# KiCad board FlightComputer.kicad_pcb (continued)
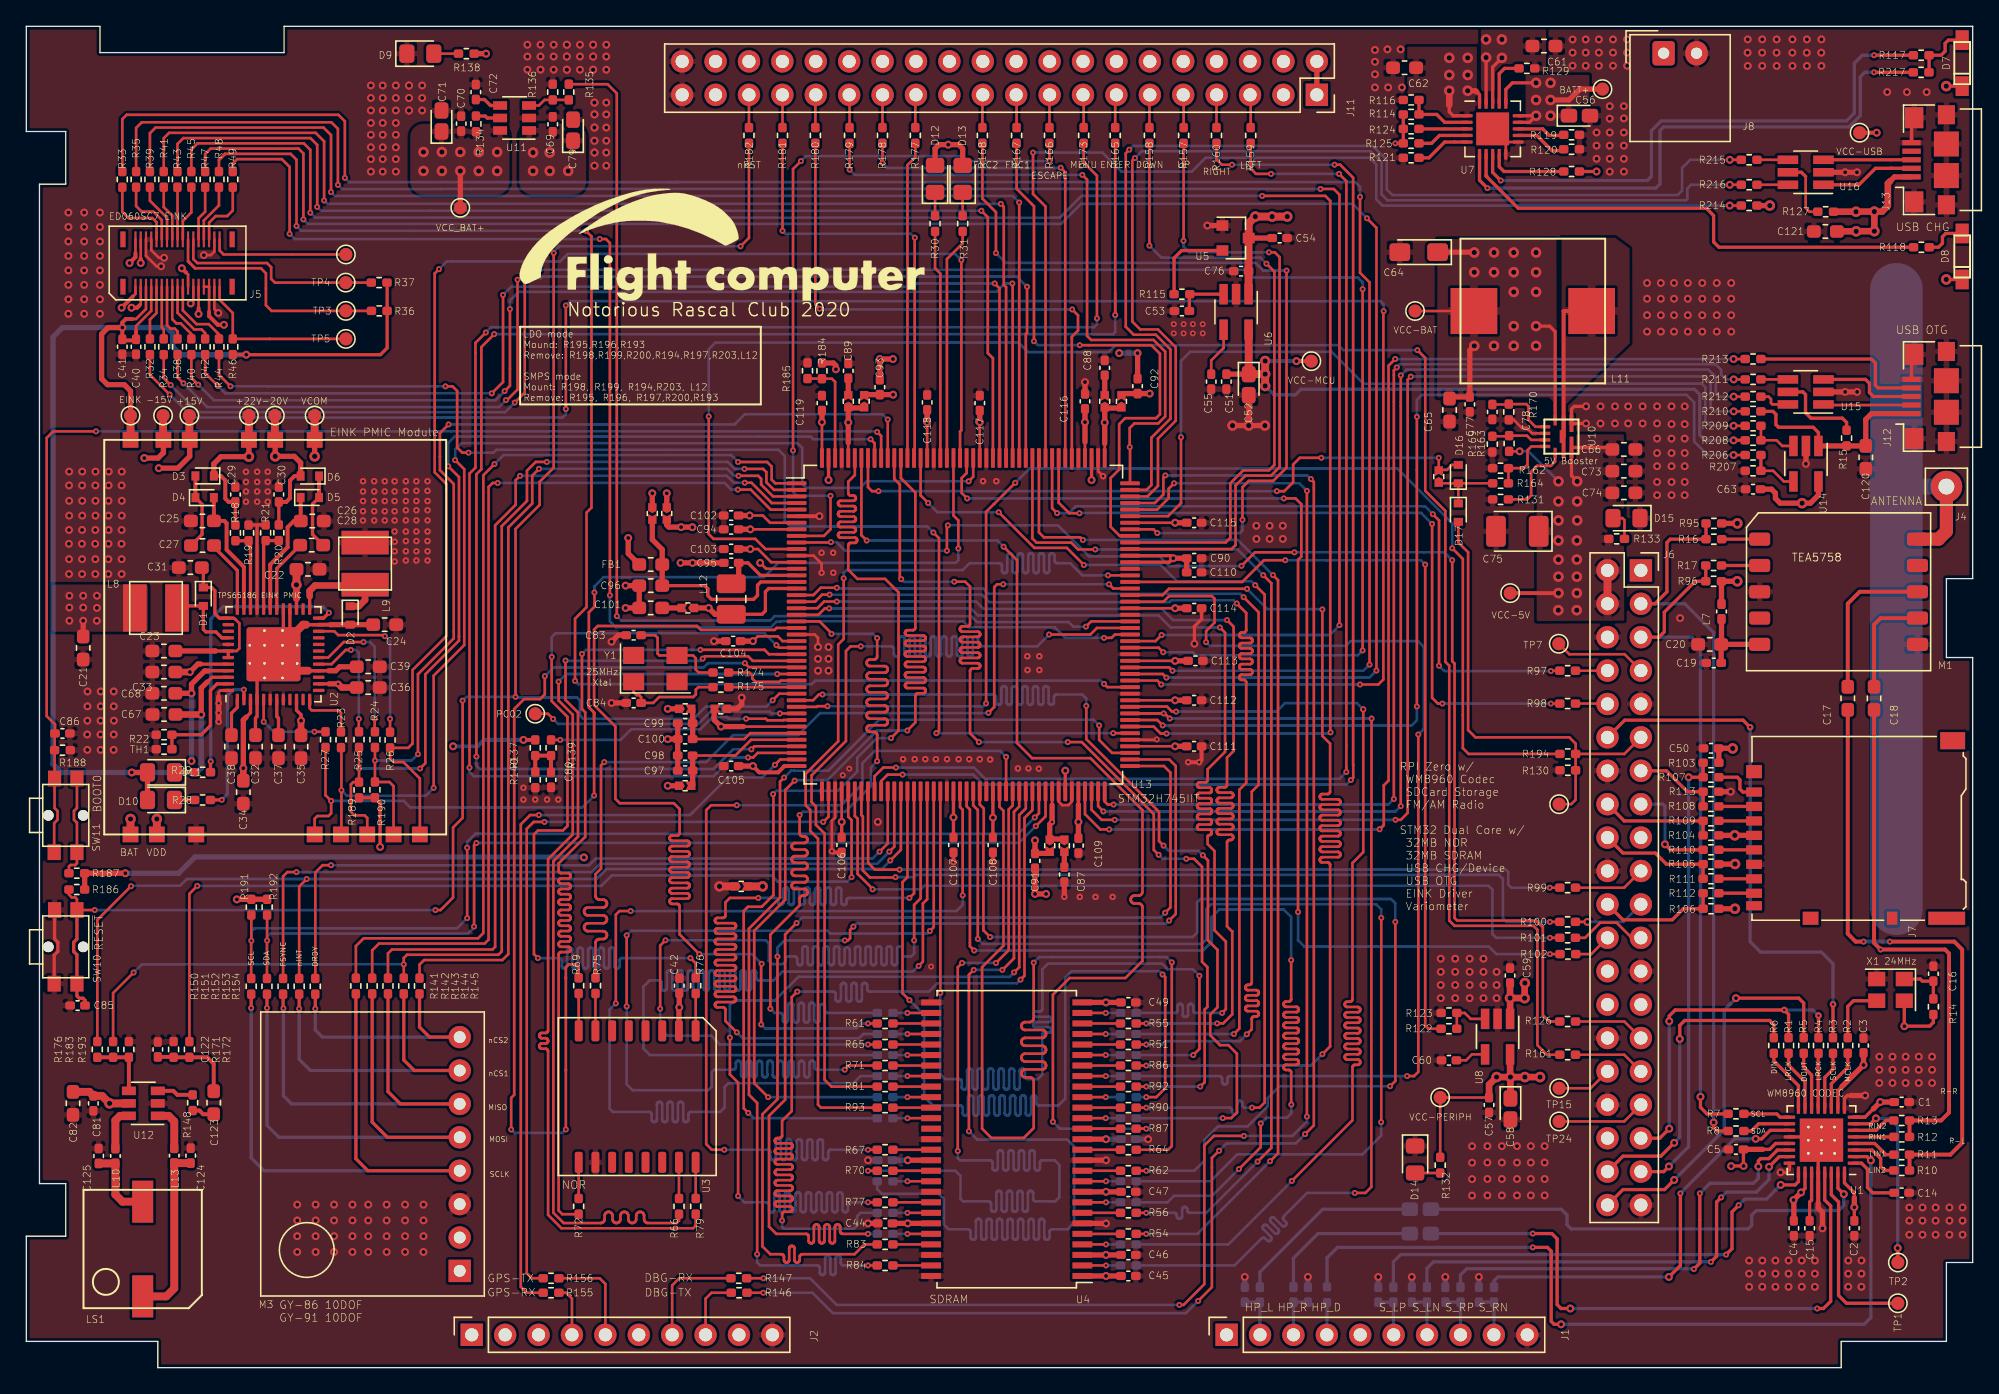
[diagram p0: board, top side]
## Routing (per net, layer and track width the routed paths; a pad name or vN(x,y) marks a point on that pad's centre or on a via; arc(x,y) is an arc through that point) (continued)
/MCU/FMC_A1: length 82.2
  Top w0.2: U13.19 59.97,58.25 60.51,58.78 v1(61.08,58.78) ; v1(92.04,58.11) 92.76,57.39 92.76,56.1 92.75,56.06 92.74,56.01 92.72,55.98 92.68,55.94 92.65,55.92 92.6,55.91 92.56,55.9 92.44,55.9 92.39,55.89 92.35,55.88 92.31,55.86 92.28,55.82 92.26,55.79 92.24,55.74 92.24,55.7 92.24,55.66 92.26,55.61 92.28,55.58 92.31,55.54 92.35,55.52 92.39,55.51 92.44,55.5 93.03,55.5 93.08,55.49 93.12,55.48 93.16,55.46 93.19,55.42 93.21,55.39 93.23,55.34 93.23,55.3 93.23,55.26 93.21,55.21 93.19,55.18 93.16,55.14 93.12,55.12 93.08,55.11 93.03,55.1 92.44,55.1 92.39,55.09 92.35,55.08 92.31,55.06 92.28,55.02 92.26,54.99 92.24,54.94 92.24,54.9 92.24,54.86 92.26,54.81 92.28,54.78 92.31,54.74 92.35,54.72 92.39,54.71 92.44,54.7 93.03,54.7 93.08,54.69 93.12,54.68 93.16,54.66 93.19,54.62 93.21,54.59 93.23,54.54 93.23,54.5 93.23,54.46 93.21,54.41 93.19,54.38 93.16,54.34 93.12,54.32 93.08,54.31 93.03,54.3 92.44,54.3 92.39,54.29 92.35,54.28 92.31,54.26 92.28,54.22 92.26,54.19 92.24,54.14 92.24,54.1 92.24,54.06 92.26,54.01 92.28,53.98 92.31,53.94 92.35,53.92 92.39,53.91 92.44,53.9 93.03,53.9 93.08,53.89 93.12,53.88 93.16,53.86 93.19,53.82 93.21,53.79 93.23,53.74 93.23,53.7 93.23,53.66 93.21,53.61 93.19,53.58 93.16,53.54 93.12,53.52 93.08,53.51 93.03,53.5 92.44,53.5 92.39,53.49 92.35,53.48 92.31,53.46 92.28,53.42 92.26,53.39 92.24,53.34 92.24,53.3 92.24,53.26 92.26,53.21 92.28,53.18 92.31,53.14 92.35,53.12 92.39,53.11 92.44,53.1 93.03,53.1 93.08,53.09 93.12,53.08 93.16,53.06 93.19,53.02 93.21,52.99 93.23,52.94 93.23,52.9 93.23,52.86 93.21,52.81 93.19,52.78 93.16,52.74 93.12,52.72 93.08,52.71 93.03,52.7 92.44,52.7 92.39,52.69 92.35,52.68 92.31,52.66 92.28,52.62 92.26,52.59 92.24,52.54 92.24,52.5 92.24,52.46 92.26,52.41 92.28,52.38 92.31,52.34 92.35,52.32 92.39,52.31 92.44,52.3 92.56,52.3 92.6,52.29 92.65,52.28 92.68,52.26 92.72,52.22 92.74,52.19 92.75,52.14 92.76,52.1 92.76,44.47 92.24,43.95 92.24,25.79 v1(91.83,25.38)
  Bottom w0.2: v1(92.04,58.11) 91.8,58.35 87.06,58.35 86.93,58.21 73.23,58.21 72.75,58.69 72.75,58.69 72.66,58.78 v1(61.08,58.78) ; v1(91.83,25.38) R53.2
/MCU/FMC_A2: length 82.2
  Top w0.2: U13.20 60.15,57.75 60.66,58.26 v1(61.62,58.26) ; v1(91.3,56.85) 91.8,56.35 91.8,46.89 91.3,46.39 91.3,44.33 91.29,44.29 91.28,44.24 91.26,44.21 91.22,44.17 91.19,44.15 91.14,44.14 91.1,44.13 90.73,44.13 90.68,44.12 90.64,44.11 90.6,44.09 90.57,44.05 90.55,44.02 90.53,43.97 90.53,43.93 90.53,43.89 90.55,43.84 90.57,43.81 90.6,43.77 90.64,43.75 90.68,43.74 90.73,43.73 91.57,43.73 91.62,43.72 91.66,43.71 91.7,43.69 91.73,43.65 91.75,43.62 91.77,43.57 91.77,43.53 91.77,43.49 91.75,43.44 91.73,43.41 91.7,43.37 91.66,43.35 91.62,43.34 91.57,43.33 90.73,43.33 90.68,43.32 90.64,43.31 90.6,43.29 90.57,43.25 90.55,43.22 90.53,43.17 90.53,43.13 90.53,43.09 90.55,43.04 90.57,43.01 90.6,42.97 90.64,42.95 90.68,42.94 90.73,42.93 91.57,42.93 91.62,42.92 91.66,42.91 91.7,42.89 91.73,42.85 91.75,42.82 91.77,42.77 91.77,42.73 91.77,42.69 91.75,42.64 91.73,42.61 91.7,42.57 91.66,42.55 91.62,42.54 91.57,42.53 90.73,42.53 90.68,42.52 90.64,42.51 90.6,42.49 90.57,42.45 90.55,42.42 90.53,42.37 90.53,42.33 90.53,42.29 90.55,42.24 90.57,42.21 90.6,42.17 90.64,42.15 90.68,42.14 90.73,42.13 91.57,42.13 91.62,42.12 91.66,42.11 91.7,42.09 91.73,42.05 91.75,42.02 91.77,41.97 91.77,41.93 91.77,41.89 91.75,41.84 91.73,41.81 91.7,41.77 91.66,41.75 91.62,41.74 91.57,41.73 90.73,41.73 90.68,41.72 90.64,41.71 90.6,41.69 90.57,41.65 90.55,41.62 90.53,41.57 90.53,41.53 90.53,41.49 90.55,41.44 90.57,41.41 90.6,41.37 90.64,41.35 90.68,41.34 90.73,41.33 91.57,41.33 91.62,41.32 91.66,41.31 91.7,41.29 91.73,41.25 91.75,41.22 91.77,41.17 91.77,41.13 91.77,41.09 91.75,41.04 91.73,41.01 91.7,40.97 91.66,40.95 91.62,40.94 91.57,40.93 90.73,40.93 90.68,40.92 90.64,40.91 90.6,40.89 90.57,40.85 90.55,40.82 90.53,40.77 90.53,40.73 90.53,40.69 90.55,40.64 90.57,40.61 90.6,40.57 90.64,40.55 90.68,40.54 90.73,40.53 91.57,40.53 91.62,40.52 91.66,40.51 91.7,40.49 91.73,40.45 91.75,40.42 91.77,40.37 91.77,40.33 91.77,40.29 91.75,40.24 91.73,40.21 91.7,40.17 91.66,40.15 91.62,40.14 91.57,40.13 91.5,40.13 91.46,40.12 91.41,40.11 91.38,40.09 91.34,40.05 91.32,40.02 91.31,39.97 91.3,39.93 91.3,33.56 91.68,33.18 91.7,33.18 91.7,26.88 91,26.18 v1(90.55,26.18) ; R55.2 v1(85.16,26.17)
  Bottom w0.2: v1(85.16,26.17) 90.55,26.17 v1(90.55,26.18) ; v1(61.62,58.26) 72.22,58.26 72.78,57.7 86.35,57.7 87.2,56.85 v1(91.3,56.85)
/MCU/FMC_A3: length 82.3
  Top w0.2: v1(61.05,57.73) 60.71,57.73 60.23,57.25 U13.21 ; v1(90.92,26.97) 91.21,27.26 91.21,32.4 90.35,33.26 90.35,39.29 89.83,39.81 89.83,40.35 89.83,40.39 89.84,40.42 89.86,40.45 89.88,40.47 89.91,40.49 89.94,40.5 90.01,40.51 90.04,40.52 90.07,40.54 90.09,40.56 90.11,40.59 90.12,40.62 90.12,40.66 90.12,40.76 90.12,40.79 90.11,40.82 90.09,40.85 90.07,40.87 90.04,40.89 90.01,40.9 89.97,40.91 89.22,40.91 89.18,40.91 89.14,40.92 89.1,40.95 89.07,40.98 89.04,41.02 89.03,41.06 89.03,41.1 89.03,41.15 89.04,41.19 89.07,41.23 89.1,41.26 89.14,41.29 89.18,41.3 89.22,41.3 89.97,41.3 90.01,41.31 90.04,41.32 90.07,41.34 90.09,41.36 90.11,41.39 90.12,41.42 90.12,41.45 90.12,41.55 90.12,41.59 90.11,41.62 90.09,41.65 90.07,41.67 90.04,41.69 90.01,41.7 89.97,41.7 89.22,41.7 89.18,41.71 89.14,41.72 89.1,41.75 89.07,41.78 89.04,41.82 89.03,41.86 89.03,41.91 89.03,41.95 89.04,41.99 89.07,42.03 89.1,42.06 89.14,42.09 89.18,42.1 89.22,42.1 89.97,42.1 90.01,42.11 90.04,42.12 90.07,42.14 90.09,42.16 90.11,42.19 90.12,42.22 90.12,42.26 90.12,42.35 90.12,42.39 90.11,42.42 90.09,42.45 90.07,42.47 90.04,42.49 90.01,42.5 89.97,42.51 89.22,42.51 89.18,42.51 89.14,42.52 89.1,42.55 89.07,42.58 89.04,42.62 89.03,42.66 89.03,42.7 89.03,42.75 89.04,42.79 89.07,42.83 89.1,42.86 89.14,42.89 89.18,42.9 89.22,42.91 89.97,42.91 90.01,42.91 90.04,42.92 90.07,42.94 90.09,42.96 90.11,42.99 90.12,43.02 90.12,43.05 90.12,43.16 90.12,43.19 90.11,43.22 90.09,43.25 90.07,43.27 90.04,43.29 90.01,43.3 89.97,43.3 89.22,43.3 89.18,43.31 89.14,43.32 89.1,43.35 89.07,43.38 89.04,43.42 89.03,43.46 89.03,43.51 89.03,43.55 89.04,43.59 89.07,43.63 89.1,43.66 89.14,43.69 89.18,43.7 89.22,43.7 89.97,43.7 90.01,43.71 90.04,43.72 90.07,43.74 90.09,43.76 90.11,43.79 90.12,43.82 90.12,43.85 90.12,43.95 90.12,43.99 90.11,44.02 90.09,44.05 90.07,44.07 90.04,44.09 90.01,44.1 89.97,44.1 89.22,44.1 89.18,44.11 89.14,44.12 89.1,44.15 89.07,44.18 89.04,44.22 89.03,44.26 89.03,44.3 89.03,44.35 89.04,44.39 89.07,44.43 89.1,44.46 89.14,44.49 89.18,44.5 89.22,44.51 89.62,44.51 89.67,44.51 89.71,44.52 89.75,44.55 89.78,44.58 89.81,44.62 89.82,44.66 89.83,44.7 89.83,45.51 91.15,46.83 91.15,55.9 v1(90.76,56.29)
  Bottom w0.2: v1(90.76,56.29) 87.01,56.29 86.1,57.2 72.36,57.2 71.83,57.73 v1(61.05,57.73) ; R57.2 87.33,26.97 87.38,26.98 87.42,26.99 87.46,27.02 87.49,27.05 87.52,27.09 87.53,27.13 87.53,27.17 87.53,27.47 87.54,27.51 87.55,27.56 87.58,27.59 87.61,27.63 87.65,27.65 87.69,27.67 87.73,27.67 87.78,27.67 87.82,27.65 87.86,27.63 87.89,27.59 87.92,27.56 87.93,27.51 87.94,27.47 87.94,26.83 87.94,26.79 87.95,26.76 87.97,26.74 87.99,26.71 88.02,26.69 88.05,26.68 88.08,26.68 88.19,26.68 88.22,26.68 88.25,26.69 88.28,26.71 88.3,26.74 88.32,26.76 88.33,26.79 88.33,26.83 88.33,27.47 88.34,27.51 88.35,27.56 88.38,27.59 88.41,27.63 88.45,27.65 88.49,27.67 88.53,27.67 88.58,27.67 88.62,27.65 88.66,27.63 88.69,27.59 88.72,27.56 88.73,27.51 88.73,27.47 88.73,27.17 88.74,27.13 88.75,27.09 88.78,27.05 88.81,27.02 88.85,26.99 88.89,26.98 88.94,26.97 v1(90.92,26.97)
/MCU/FMC_A4: length 82.2
  Top w0.2: v1(58.8,42.02) 58.8,40.65 58.81,40.59 58.82,40.54 58.85,40.49 58.89,40.45 58.94,40.42 58.99,40.41 59.05,40.4 59.15,40.4 59.21,40.39 59.26,40.38 59.31,40.35 59.35,40.31 59.38,40.26 59.39,40.21 59.4,40.15 59.39,40.09 59.38,40.04 59.35,39.99 59.31,39.95 59.26,39.92 59.21,39.91 59.15,39.9 58.45,39.9 58.39,39.89 58.34,39.88 58.29,39.85 58.25,39.81 58.22,39.76 58.21,39.71 58.2,39.65 58.21,39.59 58.22,39.54 58.25,39.49 58.29,39.45 58.34,39.42 58.39,39.41 58.45,39.4 59.15,39.4 59.21,39.39 59.26,39.38 59.31,39.35 59.35,39.31 59.38,39.26 59.39,39.21 59.4,39.15 59.39,39.09 59.38,39.04 59.35,38.99 59.31,38.95 59.26,38.92 59.21,38.91 59.15,38.9 58.45,38.9 58.39,38.89 58.34,38.88 58.29,38.85 58.25,38.81 58.22,38.76 58.21,38.71 58.2,38.65 58.21,38.59 58.22,38.54 58.25,38.49 58.29,38.45 58.34,38.42 58.39,38.41 58.45,38.4 59.15,38.4 59.21,38.39 59.26,38.38 59.31,38.35 59.35,38.31 59.38,38.26 59.39,38.21 59.4,38.15 59.39,38.09 59.38,38.04 59.35,37.99 59.31,37.95 59.26,37.92 59.21,37.91 59.15,37.9 58.45,37.9 58.39,37.89 58.34,37.88 58.29,37.85 58.25,37.81 58.22,37.76 58.21,37.71 58.2,37.65 58.21,37.59 58.22,37.54 58.25,37.49 58.29,37.45 58.34,37.42 58.39,37.41 58.45,37.4 59.15,37.4 59.21,37.39 59.26,37.38 59.31,37.35 59.35,37.31 59.38,37.26 59.39,37.21 59.4,37.15 59.39,37.09 59.38,37.04 59.35,36.99 59.31,36.95 59.26,36.92 59.21,36.91 59.15,36.9 58.45,36.9 58.39,36.89 58.34,36.88 58.29,36.85 58.25,36.81 58.22,36.76 58.21,36.71 58.2,36.65 58.21,36.59 58.22,36.54 58.25,36.49 58.29,36.45 58.34,36.42 58.39,36.41 58.45,36.4 59.15,36.4 59.21,36.39 59.26,36.38 59.31,36.35 59.35,36.31 59.38,36.26 59.39,36.21 59.4,36.15 59.39,36.09 59.38,36.04 59.35,35.99 59.31,35.95 59.26,35.92 59.21,35.91 59.15,35.9 59.05,35.9 58.99,35.89 58.94,35.88 58.89,35.85 58.85,35.81 58.82,35.76 58.81,35.71 58.8,35.65 58.8,35.16 56.58,32.93 v1(56.58,27.3) ; v1(61.23,55.8) 61.23,55.84 60.32,56.75 U13.22 ; v1(64.69,46.12) 64.7,46.12 64.7,48.1 64.69,48.16 64.68,48.21 64.65,48.26 64.61,48.3 64.56,48.33 64.51,48.34 64.45,48.35 64.15,48.35 64.09,48.36 64.04,48.37 63.99,48.4 63.95,48.44 63.92,48.49 63.91,48.54 63.9,48.6 63.91,48.66 63.92,48.71 63.95,48.76 63.99,48.8 64.04,48.83 64.09,48.84 64.15,48.85 65.25,48.85 65.31,48.86 65.36,48.87 65.41,48.9 65.45,48.94 65.48,48.99 65.49,49.04 65.5,49.1 65.49,49.16 65.48,49.21 65.45,49.26 65.41,49.3 65.36,49.33 65.31,49.34 65.25,49.35 64.15,49.35 64.09,49.36 64.04,49.37 63.99,49.4 63.95,49.44 63.92,49.49 63.91,49.54 63.9,49.6 63.91,49.66 63.92,49.71 63.95,49.76 63.99,49.8 64.04,49.83 64.09,49.84 64.15,49.85 65.25,49.85 65.31,49.86 65.36,49.87 65.41,49.9 65.45,49.94 65.48,49.99 65.49,50.04 65.5,50.1 65.49,50.16 65.48,50.21 65.45,50.26 65.41,50.3 65.36,50.33 65.31,50.34 65.25,50.35 64.15,50.35 64.09,50.36 64.04,50.37 63.99,50.4 63.95,50.44 63.92,50.49 63.91,50.54 63.9,50.6 63.91,50.66 63.92,50.71 63.95,50.76 63.99,50.8 64.04,50.83 64.09,50.84 64.15,50.85 65.25,50.85 65.31,50.86 65.36,50.87 65.41,50.9 65.45,50.94 65.48,50.99 65.49,51.04 65.5,51.1 65.49,51.16 65.48,51.21 65.45,51.26 65.41,51.3 65.36,51.33 65.31,51.34 65.25,51.35 64.15,51.35 64.09,51.36 64.04,51.37 63.99,51.4 63.95,51.44 63.92,51.49 63.91,51.54 63.9,51.6 63.91,51.66 63.92,51.71 63.95,51.76 63.99,51.8 64.04,51.83 64.09,51.84 64.15,51.85 65.25,51.85 65.31,51.86 65.36,51.87 65.41,51.9 65.45,51.94 65.48,51.99 65.49,52.04 65.5,52.1 65.49,52.16 65.48,52.21 65.45,52.26 65.41,52.3 65.36,52.33 65.31,52.34 65.25,52.35 64.15,52.35 64.09,52.36 64.04,52.37 63.99,52.4 63.95,52.44 63.92,52.49 63.91,52.54 63.9,52.6 63.91,52.66 63.92,52.71 63.95,52.76 63.99,52.8 64.04,52.83 64.09,52.84 64.15,52.85 65.25,52.85 65.31,52.86 65.36,52.87 65.41,52.9 65.45,52.94 65.48,52.99 65.49,53.04 65.5,53.1 65.49,53.16 65.48,53.21 65.45,53.26 65.41,53.3 65.36,53.33 65.31,53.34 65.25,53.35 64.15,53.35 64.09,53.36 64.04,53.37 63.99,53.4 63.95,53.44 63.92,53.49 63.91,53.54 63.9,53.6 63.91,53.66 63.92,53.71 63.95,53.76 63.99,53.8 64.04,53.83 64.09,53.84 64.15,53.85 64.45,53.85 64.51,53.86 64.56,53.87 64.61,53.9 64.65,53.94 64.68,53.99 64.69,54.04 64.7,54.1 v1(64.7,55.47)
  Bottom w0.2: R59.2 60.92,26.97 60.88,26.98 60.84,26.99 60.8,27.02 60.77,27.05 60.74,27.09 60.73,27.13 60.73,27.17 60.73,27.45 60.72,27.49 60.71,27.54 60.68,27.57 60.65,27.61 60.61,27.63 60.57,27.64 60.52,27.65 60.48,27.64 60.44,27.63 60.4,27.61 60.37,27.57 60.34,27.54 60.33,27.49 60.33,27.45 60.33,26.45 60.32,26.41 60.31,26.36 60.28,26.33 60.25,26.29 60.21,26.27 60.17,26.26 60.12,26.25 60.08,26.26 60.04,26.27 60,26.29 59.97,26.33 59.94,26.36 59.93,26.41 59.92,26.45 59.92,27.55 59.92,27.59 59.91,27.64 59.88,27.67 59.85,27.71 59.81,27.73 59.77,27.74 59.73,27.75 59.68,27.74 59.64,27.73 59.6,27.71 59.57,27.67 59.54,27.64 59.53,27.59 59.52,27.55 59.52,26.45 59.52,26.41 59.51,26.36 59.48,26.33 59.45,26.29 59.41,26.27 59.37,26.26 59.33,26.25 59.28,26.26 59.24,26.27 59.2,26.29 59.17,26.33 59.14,26.36 59.13,26.41 59.12,26.45 59.12,27.55 59.12,27.59 59.11,27.64 59.08,27.67 59.05,27.71 59.01,27.73 58.97,27.74 58.92,27.75 58.88,27.74 58.84,27.73 58.8,27.71 58.77,27.67 58.74,27.64 58.73,27.59 58.73,27.55 58.73,26.45 58.72,26.41 58.71,26.36 58.68,26.33 58.65,26.29 58.61,26.27 58.57,26.26 58.52,26.25 58.48,26.26 58.44,26.27 58.4,26.29 58.37,26.33 58.34,26.36 58.33,26.41 58.33,26.45 58.33,27.55 58.32,27.59 58.31,27.64 58.28,27.67 58.25,27.71 58.21,27.73 58.17,27.74 58.12,27.75 58.08,27.74 58.04,27.73 58,27.71 57.97,27.67 57.94,27.64 57.93,27.59 57.92,27.55 57.92,26.45 57.92,26.41 57.91,26.36 57.88,26.33 57.85,26.29 57.81,26.27 57.77,26.26 57.73,26.25 57.68,26.26 57.64,26.27 57.6,26.29 57.57,26.33 57.54,26.36 57.53,26.41 57.52,26.45 57.52,26.78 57.52,26.82 57.51,26.86 57.48,26.9 57.45,26.93 57.41,26.96 57.37,26.97 57.33,26.97 56.9,26.97 v1(56.58,27.3) ; v1(64.7,55.47) 64.38,55.8 v1(61.23,55.8) ; v1(58.8,42.02) 59.05,42.27 62.27,42.27 64.22,44.23 64.22,45.65 v1(64.69,46.12)
/MCU/FMC_A5: length 82.2
  Top w0.2: v1(51.17,31.45) 49.67,32.95 49.67,35.06 49.67,35.11 49.66,35.15 49.63,35.19 49.6,35.22 49.56,35.25 49.52,35.26 49.48,35.27 49.11,35.27 49.07,35.27 49.03,35.28 48.99,35.31 48.96,35.34 48.93,35.38 48.92,35.42 48.91,35.47 48.92,35.51 48.93,35.55 48.96,35.59 48.99,35.62 49.03,35.65 49.07,35.66 49.11,35.67 50.24,35.67 50.28,35.67 50.32,35.68 50.36,35.71 50.39,35.74 50.42,35.78 50.43,35.82 50.44,35.86 50.43,35.91 50.42,35.95 50.39,35.99 50.36,36.02 50.32,36.05 50.28,36.06 50.24,36.06 49.11,36.06 49.07,36.07 49.03,36.08 48.99,36.11 48.96,36.14 48.93,36.18 48.92,36.22 48.91,36.27 48.92,36.31 48.93,36.35 48.96,36.39 48.99,36.42 49.03,36.45 49.07,36.46 49.11,36.47 50.24,36.47 50.28,36.47 50.32,36.48 50.36,36.51 50.39,36.54 50.42,36.58 50.43,36.62 50.44,36.67 50.43,36.71 50.42,36.75 50.39,36.79 50.36,36.82 50.32,36.85 50.28,36.86 50.24,36.86 49.11,36.86 49.07,36.87 49.03,36.88 48.99,36.91 48.96,36.94 48.93,36.98 48.92,37.02 48.91,37.06 48.92,37.11 48.93,37.15 48.96,37.19 48.99,37.22 49.03,37.25 49.07,37.26 49.11,37.27 50.24,37.27 50.28,37.27 50.32,37.28 50.36,37.31 50.39,37.34 50.42,37.38 50.43,37.42 50.44,37.47 50.43,37.51 50.42,37.55 50.39,37.59 50.36,37.62 50.32,37.65 50.28,37.66 50.24,37.67 49.11,37.67 49.07,37.67 49.03,37.68 48.99,37.71 48.96,37.74 48.93,37.78 48.92,37.82 48.91,37.86 48.92,37.91 48.93,37.95 48.96,37.99 48.99,38.02 49.03,38.05 49.07,38.06 49.11,38.06 50.24,38.06 50.28,38.07 50.32,38.08 50.36,38.11 50.39,38.14 50.42,38.18 50.43,38.22 50.44,38.27 50.43,38.31 50.42,38.35 50.39,38.39 50.36,38.42 50.32,38.45 50.28,38.46 50.24,38.47 49.11,38.47 49.07,38.47 49.03,38.48 48.99,38.51 48.96,38.54 48.93,38.58 48.92,38.62 48.91,38.66 48.92,38.71 48.93,38.75 48.96,38.79 48.99,38.82 49.03,38.85 49.07,38.86 49.11,38.87 50.24,38.87 50.28,38.87 50.32,38.88 50.36,38.91 50.39,38.94 50.42,38.98 50.43,39.02 50.44,39.06 50.43,39.11 50.42,39.15 50.39,39.19 50.36,39.22 50.32,39.25 50.28,39.26 50.24,39.27 49.11,39.27 49.07,39.27 49.03,39.28 48.99,39.31 48.96,39.34 48.93,39.38 48.92,39.42 48.91,39.47 48.92,39.51 48.93,39.55 48.96,39.59 48.99,39.62 49.03,39.65 49.07,39.66 49.11,39.66 50.24,39.66 50.28,39.67 50.32,39.68 50.36,39.71 50.39,39.74 50.42,39.78 50.43,39.82 50.44,39.87 50.43,39.91 50.42,39.95 50.39,39.99 50.36,40.02 50.32,40.05 50.28,40.06 50.24,40.06 49.11,40.06 49.07,40.07 49.03,40.08 48.99,40.11 48.96,40.14 48.93,40.18 48.92,40.22 48.91,40.27 48.92,40.31 48.93,40.35 48.96,40.39 48.99,40.42 49.03,40.45 49.07,40.46 49.11,40.47 49.48,40.47 49.52,40.47 49.56,40.48 49.6,40.51 49.63,40.54 49.66,40.58 49.67,40.62 49.67,40.66 49.67,42.48 49.23,42.92 45.12,42.92 44.79,43.26 44.79,48.76 43.17,50.38 43.17,56.12 43.45,56.4 51,56.4 51.3,56.1 56.9,56.1 57.05,56.25 U13.23 ; R61.2 v1(64,26.17) ; v1(55.91,30.71) 55.88,30.68 v1(55.88,26.1)
  Bottom w0.2: v1(64,26.17) 63.5,26.17 63.12,25.8 56.18,25.8 v1(55.88,26.1) ; v1(51.17,31.45) 55.17,31.45 v1(55.91,30.71)
/MCU/FMC_A6: length 82.2
  Top w0.2: v1(55.66,35.72) 53.49,35.72 53.16,35.39 53.16,34.4 53.16,34.36 53.14,34.32 53.12,34.28 53.09,34.25 53.05,34.22 53.01,34.21 52.96,34.2 52.56,34.2 52.52,34.2 52.48,34.18 52.44,34.16 52.41,34.13 52.38,34.09 52.37,34.05 52.36,34 52.37,33.96 52.38,33.92 52.41,33.88 52.44,33.85 52.48,33.82 52.52,33.81 52.56,33.8 53.76,33.8 53.81,33.8 53.85,33.78 53.89,33.76 53.92,33.73 53.94,33.69 53.96,33.65 53.96,33.6 53.96,33.56 53.94,33.52 53.92,33.48 53.89,33.45 53.85,33.42 53.81,33.41 53.76,33.4 52.56,33.4 52.52,33.4 52.48,33.38 52.44,33.36 52.41,33.33 52.38,33.29 52.37,33.25 52.36,33.2 52.37,33.16 52.38,33.12 52.41,33.08 52.44,33.05 52.48,33.02 52.52,33.01 52.56,33 53.76,33 53.81,33 53.85,32.98 53.89,32.96 53.92,32.93 53.94,32.89 53.96,32.85 53.96,32.8 53.96,32.76 53.94,32.72 53.92,32.68 53.89,32.65 53.85,32.62 53.81,32.61 53.76,32.6 52.56,32.6 52.52,32.6 52.48,32.58 52.44,32.56 52.41,32.53 52.38,32.49 52.37,32.45 52.36,32.4 52.37,32.36 52.38,32.32 52.41,32.28 52.44,32.25 52.48,32.22 52.52,32.21 52.56,32.2 53.76,32.2 53.81,32.2 53.85,32.18 53.89,32.16 53.92,32.13 53.94,32.09 53.96,32.05 53.96,32 53.96,31.96 53.94,31.92 53.92,31.88 53.89,31.85 53.85,31.82 53.81,31.81 53.76,31.8 52.56,31.8 52.52,31.8 52.48,31.78 52.44,31.76 52.41,31.73 52.38,31.69 52.37,31.65 52.36,31.6 52.37,31.56 52.38,31.52 52.41,31.48 52.44,31.45 52.48,31.42 52.52,31.41 52.56,31.4 53.76,31.4 53.81,31.4 53.85,31.38 53.89,31.36 53.92,31.33 53.94,31.29 53.96,31.25 53.96,31.2 53.96,31.16 53.94,31.12 53.92,31.08 53.89,31.05 53.85,31.02 53.81,31.01 53.76,31 52.56,31 52.52,31 52.48,30.98 52.44,30.96 52.41,30.93 52.38,30.89 52.37,30.85 52.36,30.8 52.37,30.76 52.38,30.72 52.41,30.68 52.44,30.65 52.48,30.62 52.52,30.61 52.56,30.6 53.76,30.6 53.81,30.6 53.85,30.58 53.89,30.56 53.92,30.53 53.94,30.49 53.96,30.45 53.96,30.4 53.96,30.36 53.94,30.32 53.92,30.28 53.89,30.25 53.85,30.22 53.81,30.21 53.76,30.2 52.56,30.2 52.52,30.2 52.48,30.18 52.44,30.16 52.41,30.13 52.38,30.09 52.37,30.05 52.36,30 52.37,29.96 52.38,29.92 52.41,29.88 52.44,29.85 52.48,29.82 52.52,29.81 52.56,29.8 53.76,29.8 53.81,29.8 53.85,29.78 53.89,29.76 53.92,29.73 53.94,29.69 53.96,29.65 53.96,29.6 53.96,29.56 53.94,29.52 53.92,29.48 53.89,29.45 53.85,29.42 53.81,29.41 53.76,29.4 52.56,29.4 52.52,29.4 52.48,29.38 52.44,29.36 52.41,29.33 52.38,29.29 52.37,29.25 52.36,29.2 52.37,29.16 52.38,29.12 52.41,29.08 52.44,29.05 52.48,29.02 52.52,29.01 52.56,29 53.76,29 53.81,29 53.85,28.98 53.89,28.96 53.92,28.93 53.94,28.89 53.96,28.85 53.96,28.8 53.96,28.76 53.94,28.72 53.92,28.68 53.89,28.65 53.85,28.62 53.81,28.61 53.76,28.6 52.56,28.6 52.52,28.6 52.48,28.58 52.44,28.56 52.41,28.53 52.38,28.49 52.37,28.45 52.36,28.4 52.37,28.36 52.38,28.32 52.41,28.28 52.44,28.25 52.48,28.22 52.52,28.21 52.56,28.2 53.76,28.2 53.81,28.2 53.85,28.18 53.89,28.16 53.92,28.13 53.94,28.09 53.96,28.05 53.96,28 53.96,27.96 53.94,27.92 53.92,27.88 53.89,27.85 53.85,27.82 53.81,27.81 53.76,27.8 52.56,27.8 52.52,27.8 52.48,27.78 52.44,27.76 52.41,27.73 52.38,27.69 52.37,27.65 52.36,27.6 52.37,27.56 52.38,27.52 52.41,27.48 52.44,27.45 52.48,27.42 52.52,27.41 52.56,27.4 52.96,27.4 53.01,27.4 53.05,27.38 53.09,27.36 53.12,27.33 53.14,27.29 53.16,27.25 53.16,27.2 53.16,26.36 v1(54.03,25.5) ; v1(67.15,35.72) 67.5,36.07 U13.59
  Bottom w0.2: v1(67.15,35.72) 62.57,35.72 62.53,35.71 62.48,35.7 62.45,35.68 62.41,35.64 62.39,35.61 62.38,35.56 62.37,35.52 62.37,35.38 62.36,35.34 62.35,35.3 62.33,35.26 62.29,35.23 62.26,35.2 62.21,35.19 62.17,35.18 62.13,35.19 62.08,35.2 62.05,35.23 62.01,35.26 61.99,35.3 61.98,35.34 61.97,35.38 61.97,36.31 61.96,36.35 61.95,36.39 61.93,36.43 61.89,36.46 61.86,36.49 61.81,36.5 61.77,36.51 61.73,36.5 61.68,36.49 61.65,36.46 61.61,36.43 61.59,36.39 61.58,36.35 61.57,36.31 61.57,35.38 61.56,35.34 61.55,35.3 61.53,35.26 61.49,35.23 61.46,35.2 61.41,35.19 61.37,35.18 61.33,35.19 61.28,35.2 61.25,35.23 61.21,35.26 61.19,35.3 61.18,35.34 61.17,35.38 61.17,36.31 61.16,36.35 61.15,36.39 61.13,36.43 61.09,36.46 61.06,36.49 61.01,36.5 60.97,36.51 60.93,36.5 60.88,36.49 60.85,36.46 60.81,36.43 60.79,36.39 60.78,36.35 60.77,36.31 60.77,35.38 60.76,35.34 60.75,35.3 60.73,35.26 60.69,35.23 60.66,35.2 60.61,35.19 60.57,35.18 60.53,35.19 60.48,35.2 60.45,35.23 60.41,35.26 60.39,35.3 60.38,35.34 60.37,35.38 60.37,36.31 60.36,36.35 60.35,36.39 60.33,36.43 60.29,36.46 60.26,36.49 60.21,36.5 60.17,36.51 60.13,36.5 60.08,36.49 60.05,36.46 60.01,36.43 59.99,36.39 59.98,36.35 59.97,36.31 59.97,35.38 59.96,35.34 59.95,35.3 59.93,35.26 59.89,35.23 59.86,35.2 59.81,35.19 59.77,35.18 59.73,35.19 59.68,35.2 59.65,35.23 59.61,35.26 59.59,35.3 59.58,35.34 59.57,35.38 59.57,36.31 59.56,36.35 59.55,36.39 59.53,36.43 59.49,36.46 59.46,36.49 59.41,36.5 59.37,36.51 59.33,36.5 59.28,36.49 59.25,36.46 59.21,36.43 59.19,36.39 59.18,36.35 59.17,36.31 59.17,35.38 59.16,35.34 59.15,35.3 59.13,35.26 59.09,35.23 59.06,35.2 59.01,35.19 58.97,35.18 58.93,35.19 58.88,35.2 58.85,35.23 58.81,35.26 58.79,35.3 58.78,35.34 58.77,35.38 58.77,36.31 58.76,36.35 58.75,36.39 58.73,36.43 58.69,36.46 58.66,36.49 58.61,36.5 58.57,36.51 58.53,36.5 58.48,36.49 58.45,36.46 58.41,36.43 58.39,36.39 58.38,36.35 58.37,36.31 58.37,35.38 58.36,35.34 58.35,35.3 58.33,35.26 58.29,35.23 58.26,35.2 58.21,35.19 58.17,35.18 58.13,35.19 58.08,35.2 58.05,35.23 58.01,35.26 57.99,35.3 57.98,35.34 57.97,35.38 57.97,36.31 57.96,36.35 57.95,36.39 57.93,36.43 57.89,36.46 57.86,36.49 57.81,36.5 57.77,36.51 57.73,36.5 57.68,36.49 57.65,36.46 57.61,36.43 57.59,36.39 57.58,36.35 57.57,36.31 57.57,35.38 57.56,35.34 57.55,35.3 57.53,35.26 57.49,35.23 57.46,35.2 57.41,35.19 57.37,35.18 57.33,35.19 57.28,35.2 57.25,35.23 57.21,35.26 57.19,35.3 57.18,35.34 57.17,35.38 57.17,35.52 57.16,35.56 57.15,35.61 57.13,35.64 57.09,35.68 57.06,35.7 57.01,35.71 56.97,35.72 v1(55.66,35.72) ; R63.2 63.65,25.38 63.33,25.05 54.48,25.05 v1(54.03,25.5)
/MCU/FMC_A7: length 82.2
  Top w0.2: v1(48.2,27.3) 48.2,32.1 v1(48.6,32.5) ; U13.60 68,35.69 67.51,35.2 v1(67.51,32.49) ; R65.2 v1(64,24.58)
  Bottom w0.2: v1(64,24.58) 52.73,24.58 52.49,24.82 52.49,24.83 52.08,25.25 48.75,25.25 48.2,25.8 v1(48.2,27.3) ; v1(48.6,32.5) 56.23,32.5 56.45,32.28 56.45,30.93 56.69,30.69 57.52,30.69 57.73,30.9 57.73,31.13 57.88,31.28 58.41,31.28 58.46,31.27 58.5,31.26 58.54,31.23 58.57,31.2 58.6,31.16 58.61,31.12 58.62,31.08 58.62,30.81 58.62,30.76 58.63,30.72 58.66,30.68 58.69,30.65 58.73,30.63 58.77,30.61 58.81,30.61 58.86,30.61 58.9,30.63 58.94,30.65 58.97,30.68 59,30.72 59.01,30.76 59.02,30.81 59.02,31.84 59.02,31.89 59.03,31.93 59.06,31.97 59.09,32 59.13,32.02 59.17,32.04 59.22,32.04 59.26,32.04 59.3,32.02 59.34,32 59.37,31.97 59.4,31.93 59.41,31.89 59.41,31.84 59.41,30.81 59.42,30.76 59.43,30.72 59.46,30.68 59.49,30.65 59.53,30.63 59.57,30.61 59.62,30.61 59.66,30.61 59.7,30.63 59.74,30.65 59.77,30.68 59.8,30.72 59.81,30.76 59.81,30.81 59.81,31.84 59.82,31.89 59.83,31.93 59.86,31.97 59.89,32 59.93,32.02 59.97,32.04 60.02,32.04 60.06,32.04 60.1,32.02 60.14,32 60.17,31.97 60.2,31.93 60.21,31.89 60.22,31.84 60.22,30.81 60.22,30.76 60.23,30.72 60.26,30.68 60.29,30.65 60.33,30.63 60.37,30.61 60.41,30.61 60.46,30.61 60.5,30.63 60.54,30.65 60.57,30.68 60.6,30.72 60.61,30.76 60.62,30.81 60.62,31.84 60.62,31.89 60.63,31.93 60.66,31.97 60.69,32 60.73,32.02 60.77,32.04 60.81,32.04 60.86,32.04 60.9,32.02 60.94,32 60.97,31.97 61,31.93 61.01,31.89 61.02,31.84 61.02,30.81 61.02,30.76 61.03,30.72 61.06,30.68 61.09,30.65 61.13,30.63 61.17,30.61 61.22,30.61 61.26,30.61 61.3,30.63 61.34,30.65 61.37,30.68 61.4,30.72 61.41,30.76 61.41,30.81 61.41,31.84 61.42,31.89 61.43,31.93 61.46,31.97 61.49,32 61.53,32.02 61.57,32.04 61.62,32.04 61.66,32.04 61.7,32.02 61.74,32 61.77,31.97 61.8,31.93 61.81,31.89 61.81,31.84 61.81,30.81 61.82,30.76 61.83,30.72 61.86,30.68 61.89,30.65 61.93,30.63 61.97,30.61 62.02,30.61 62.06,30.61 62.1,30.63 62.14,30.65 62.17,30.68 62.2,30.72 62.21,30.76 62.22,30.81 62.22,31.74 62.22,31.79 62.23,31.83 62.26,31.87 62.29,31.9 62.33,31.92 62.37,31.94 62.41,31.94 62.46,31.94 62.5,31.92 62.54,31.9 62.57,31.87 62.6,31.83 62.61,31.79 62.62,31.74 62.62,30.81 62.62,30.76 62.63,30.72 62.66,30.68 62.69,30.65 62.73,30.63 62.77,30.61 62.81,30.61 62.86,30.61 62.9,30.63 62.94,30.65 62.97,30.68 63,30.72 63.01,30.76 63.02,30.81 63.02,31.84 63.02,31.89 63.03,31.93 63.06,31.97 63.09,32 63.13,32.02 63.17,32.04 63.22,32.04 63.26,32.04 63.3,32.02 63.34,32 63.37,31.97 63.4,31.93 63.41,31.89 63.41,31.84 63.41,30.81 63.42,30.76 63.43,30.72 63.46,30.68 63.49,30.65 63.53,30.63 63.57,30.61 63.62,30.61 63.66,30.61 63.7,30.63 63.74,30.65 63.77,30.68 63.8,30.72 63.81,30.76 63.81,30.81 63.81,31.84 63.82,31.89 63.83,31.93 63.86,31.97 63.89,32 63.93,32.02 63.97,32.04 64.02,32.04 64.06,32.04 64.1,32.02 64.14,32 64.17,31.97 64.2,31.93 64.21,31.89 64.22,31.84 64.22,30.81 64.22,30.76 64.23,30.72 64.26,30.68 64.29,30.65 64.33,30.63 64.37,30.61 64.42,30.61 64.46,30.61 64.5,30.63 64.54,30.65 64.57,30.68 64.6,30.72 64.61,30.76 64.61,30.81 64.61,31.84 64.62,31.89 64.63,31.93 64.66,31.97 64.69,32 64.73,32.02 64.77,32.04 64.81,32.04 64.86,32.04 64.9,32.02 64.94,32 64.97,31.97 65,31.93 65.01,31.89 65.02,31.84 65.02,30.81 65.02,30.76 65.03,30.72 65.06,30.68 65.09,30.65 65.13,30.63 65.17,30.61 65.22,30.61 65.26,30.61 65.3,30.63 65.34,30.65 65.37,30.68 65.4,30.72 65.41,30.76 65.42,30.81 65.42,31.84 65.42,31.89 65.43,31.93 65.46,31.97 65.49,32 65.53,32.02 65.57,32.04 65.61,32.04 65.66,32.04 65.7,32.02 65.74,32 65.77,31.97 65.8,31.93 65.81,31.89 65.81,31.84 65.81,30.81 65.82,30.76 65.83,30.72 65.86,30.68 65.89,30.65 65.93,30.63 65.97,30.61 66.02,30.61 66.06,30.61 66.1,30.63 66.14,30.65 66.17,30.68 66.2,30.72 66.21,30.76 66.22,30.81 66.22,31.84 66.22,31.89 66.23,31.93 66.26,31.97 66.29,32 66.33,32.02 66.37,32.04 66.42,32.04 66.46,32.04 66.5,32.02 66.54,32 66.57,31.97 66.6,31.93 66.61,31.89 66.61,31.84 66.61,31.47 66.62,31.43 66.63,31.39 66.66,31.35 66.69,31.32 66.73,31.29 66.77,31.28 66.81,31.28 67.3,31.28 67.51,31.49 v1(67.51,32.49)